# Altium PCB PCIe_to_M2E.PcbDoc (part 4 of 6)
Units mm, origin at the board's own origin, x right, y up, seen from the top; angles counter-clockwise.
Board outline 90 x 100 mm, 6 copper layers (1_TOP, 2_GND, 3_Signal, 4_GND, 5_Signal, 6_BOTTOM), stack 1.617 mm thick; 433 components, 362 nets, 1771 pads, 2680 vias.
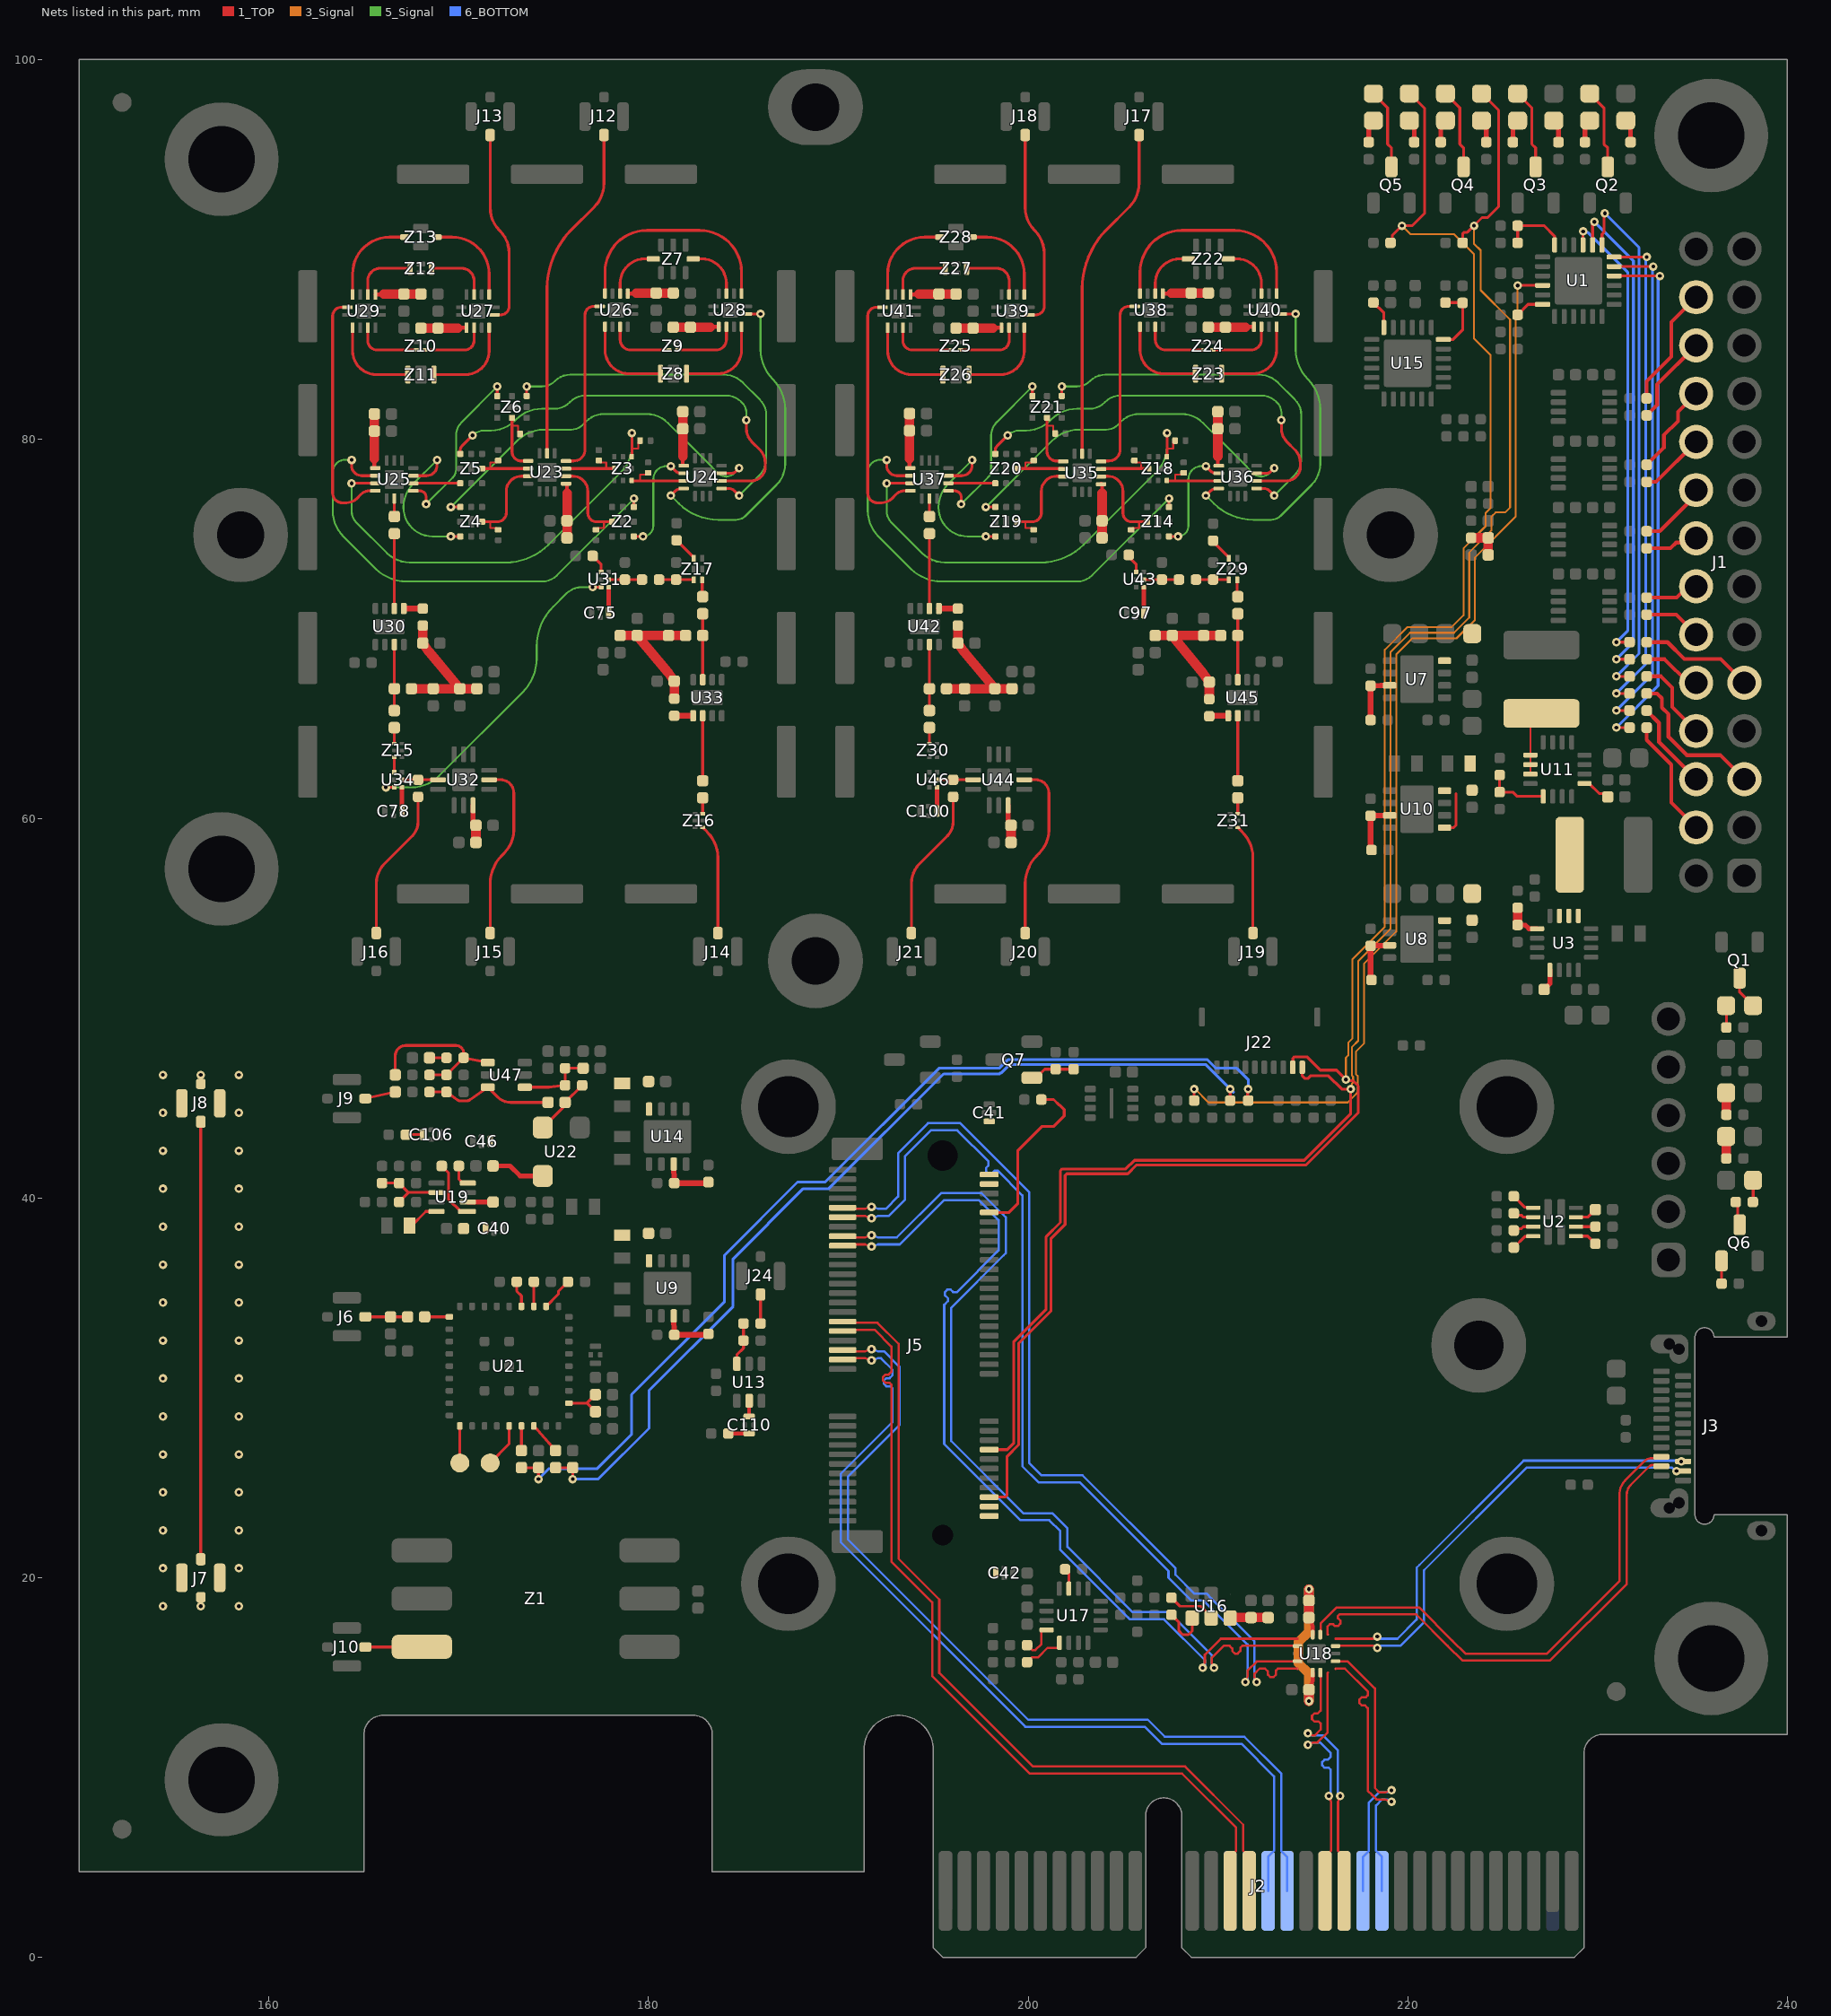
[diagram p8: the nets of this part, all layers, seen from the top]

## Via types
v1: diameter 0.45, hole 0.2, 1_TOP to 6_BOTTOM, tented both sides, 2680 vias

## Nets (pads, with @x,y where several pads share a name; then routed paths per layer and width w, separated by ;. In a path a pad name is that pad's centre, name@x,y a point inside that pad or via, vN(x,y) a via of type N, cw(c..) or ccw(c..) an arc to the next point about the centre after c; other vN are vias at no path point) (continued)
GPS_RX: C44.1 L11.1 R87.2 | length 52.3
  1_TOP w0.15: L11.1@173.3,25.8 C44.1@174.2,25.8 v1(174.2,25.2) ; v1@211.55,45.75 211.574,45.726 211.574,45.176 R87.2@211.6,45.15
  6_BOTTOM w0.15: v1(174.2,25.2) 174.75,25.75 177.3,25.75 179.1,27.55 179.1,29.65 184,34.55 184,37 187.85,40.85 189.3,40.85 195.3,46.85 198.481,46.85 198.931,47.3 209.454,47.3 209.904,46.85 211,46.85 211.6,46.25 v1(211.6,45.75)
GPS_TP0: TP8.1 U21.14 | length 2.4
  1_TOP w0.15: TP8.1@171.65,26.05 172.65,27.05 U21.14@172.65,28
GPS_TP1: TP7.1 U21.10 | length 1.9
  1_TOP w0.15: TP7.1@170.05,26.05 U21.10@170.05,28
GPS_TX: C45.1 L12.1 R86.2 | length 49.2
  1_TOP w0.15: L12.1@175.1,25.8 C45.1@176,25.8 v1(176,25.2) ; R86.2@210.6,45.15 210.65,45.2 v1(210.65,45.75)
  6_BOTTOM w0.15: v1(176,25.2) 177.35,25.2 180.025,27.875 180.025,29.875 184.45,34.3 184.45,36.8 188.15,40.5 189.5,40.5 195.55,46.55 198.5,46.55 198.55,46.6 198.584,46.6 199.034,47.05 209.35,47.05 v1(210.65,45.75) 210.813,45.587
H_PCIE_RX1_N: J2.A22 U18.10 | length 15.1
  1_TOP w0.12: U18.10@216.2,15.2 216.215,15.215 216.7,15.215 217.905,14.01 217.905,13.8 217.805,13.7 217.58,13.7 217.455,13.575 217.455,13.4 217.58,13.275 217.755,13.275 217.905,13.125 217.905,8.772 218.122,8.555 218.362,8.315 218.75,8.315 218.815,8.315 v1(219.15,8.2)
  6_BOTTOM w0.12: J2.A22@218.65,3.5 218.65,5.295 218.335,5.61 218.335,8 218.65,8.315 218.745,8.315 218.946,8.315 219.061,8.2 v1(219.15,8.2)
H_PCIE_RX1_P: J2.A21 U18.11 | length 15.1
  1_TOP w0.12: U18.11@216.2,15.6 216.215,15.585 216.853,15.585 218.275,14.163 218.275,8.925 218.515,8.685 218.85,8.685 v1(219.15,8.8)
  6_BOTTOM w0.12: J2.A21@217.65,3.5 217.65,5.295 217.965,5.61 217.965,8.153 218.497,8.685 218.592,8.685 218.946,8.685 219.061,8.8 v1(219.15,8.8)
H_PCIE_TX1_N: J2.B20 U18.8 | length 14.2
  1_TOP w0.12: v1@214.865,11.685 v1(214.75,11.8) 214.983,11.685 215.1,11.685 215.415,12 215.415,12.325 215.315,12.425 215.09,12.425 214.965,12.55 214.965,12.725 215.09,12.85 215.265,12.85 215.415,13 215.415,14.985 U18.8@215.4,15 ; 216.335,7.907 216.335,5.61 216.65,5.295 J2.B20@216.65,3.5 ; 216.335,7.907 216.335,8.2 v1(216.45,8.5)
  6_BOTTOM w0.12: v1(214.75,11.8) 214.865,11.685 215.553,11.685 216.32,10.918 216.32,8.63 v1(216.45,8.5)
H_PCIE_TX1_P: J2.B19 U18.9 | length 14.1
  1_TOP w0.12: v1@214.865,11.315 v1(214.75,11.2) 215,11.315 215.253,11.315 215.785,11.847 215.785,14.985 U18.9@215.8,15 ; J2.B19@215.65,3.5 215.65,5.295 215.965,5.61 215.965,8.06 215.965,8.178 v1(215.85,8.5)
  6_BOTTOM w0.12: v1(214.75,11.2) 214.865,11.315 215.4,11.315 215.95,10.765 215.95,10.56 215.8,10.41 215.625,10.41 215.5,10.285 215.5,10.11 215.625,9.985 215.85,9.985 215.95,9.885 215.95,9.825 215.95,8.6 v1(215.85,8.5)
H_RX0_N: J2.A17 J5.37 | length 47.9
  1_TOP w0.12: J5.37@190.225,32 190.29,31.935 191.4,31.935 v1(191.75,32.05)
  6_BOTTOM w0.12: v1(191.75,32.05) 192.1,31.935 192.403,31.935 193.22,31.118 193.22,28.047 190.5,25.327 190.5,22.023 200.003,12.52 206.303,12.52 207.203,11.62 211.403,11.62 213.335,9.688 213.335,5.915 213.335,5.61 213.65,5.295 J2.A17@213.65,3.5
H_RX0_P: J2.A16 J5.35 | length 47.9
  1_TOP w0.12: J5.35@190.225,31.5 190.29,31.565 191.4,31.565 v1(191.75,31.45)
  6_BOTTOM w0.12: v1(191.75,31.45) 192.1,31.565 192.25,31.565 192.85,30.965 192.85,30.666 192.7,30.516 192.525,30.516 192.4,30.391 192.4,30.216 192.525,30.091 192.75,30.091 192.85,29.991 192.85,28.2 190.13,25.48 190.13,21.87 199.85,12.15 206.15,12.15 207.05,11.25 211.25,11.25 212.965,9.535 212.965,6.068 212.965,5.61 212.65,5.295 J2.A16@212.65,3.5
H_RX1_N: J5.61 U18.2 | length 48.9
  1_TOP w0.12: J5.61@190.225,38 190.29,37.935 191.4,37.935 v1(191.75,38.05) ; v1@209.685,15.365 v1(209.8,15.25) 209.685,15.5 209.685,15.785 210.315,16.415 210.616,16.415 210.766,16.265 210.766,16.134 210.9,16 211.05,16 211.191,16.141 211.191,16.315 211.291,16.415 211.766,16.415 214.185,16.415 U18.2@214.2,16.4
  6_BOTTOM w0.12: v1(191.75,38.05) 192.1,37.935 193.085,37.935 195.42,40.27 197.553,40.27 198.712,39.112 198.82,39.003 198.82,37.097 198.712,36.988 195.95,34.227 195.95,27.2 199.75,23.4 201.273,23.4 202.07,22.603 202.07,21.63 205.518,18.182 207.418,18.182 209.685,15.915 209.685,15.365 v1(209.8,15.25)
H_RX1_P: J5.59 U18.1 | length 48.7
  1_TOP w0.12: J5.59@190.225,37.5 190.29,37.565 191.4,37.565 v1(191.75,37.45) ; v1(209.2,15.25) 209.315,15.513 209.315,15.938 210.162,16.785 214.185,16.785 U18.1@214.2,16.8
  6_BOTTOM w0.12: v1(191.75,37.45) 192.1,37.565 193.238,37.565 195.573,39.9 197.4,39.9 198.45,38.85 198.45,37.25 196.257,35.057 196.045,35.057 195.921,35.181 195.745,35.181 195.621,35.057 195.621,34.881 195.78,34.721 195.78,34.58 195.58,34.38 195.58,27.047 199.597,23.03 201.12,23.03 201.7,22.45 201.7,21.477 205.277,17.9 205.364,17.812 207.164,17.812 209.315,15.662 209.315,15.365 v1(209.2,15.25)
H_TX0_N: J2.B15 J5.43 | length 44.6
  1_TOP w0.12: J5.43@190.225,33.5 190.29,33.435 192.063,33.435 193.17,32.328 193.17,21.005 195.32,18.855 195.32,14.98 200.25,10.05 208.273,10.05 211.335,6.988 211.335,5.61 211.65,5.295 J2.B15@211.65,3.5
H_TX0_P: J2.B14 J5.41 | length 44.6
  1_TOP w0.12: J5.41@190.225,33 190.29,33.065 191.91,33.065 192.8,32.175 192.8,30.85 192.65,30.7 192.475,30.7 192.35,30.575 192.35,30.4 192.475,30.275 192.7,30.275 192.8,30.175 192.8,20.852 194.95,18.702 194.95,14.827 200.097,9.68 208.12,9.68 210.965,6.835 210.965,5.61 210.65,5.295 J2.B14@210.65,3.5
H_TX1_N: J5.67 U18.5 | length 50.5
  1_TOP w0.12: J5.67@190.225,39.5 190.29,39.435 191.4,39.435 v1(191.75,39.55) ; v1(212.05,14.5) 211.935,14.783 211.935,14.95 212.2,15.215 212.489,15.215 212.639,15.065 212.639,14.89 212.764,14.765 212.939,14.765 213.064,14.89 213.064,15.115 213.164,15.215 214.185,15.215 U18.5@214.2,15.2
  6_BOTTOM w0.12: v1(191.75,39.55) 192.1,39.435 192.5,39.435 193.15,40.085 193.15,42.373 194.727,43.95 196.423,43.95 200.07,40.303 200.07,26.03 200.7,25.4 202.873,25.4 207.77,20.503 207.77,20.153 208.753,19.17 209.403,19.17 209.673,18.9 211.935,16.638 211.935,14.615 v1(212.05,14.5)
H_TX1_P: J5.65 U18.4 | length 50.5
  1_TOP w0.12: J5.65@190.225,39 190.29,39.065 191.4,39.065 v1(191.75,38.95) ; v1(211.45,14.5) 211.565,14.8 211.565,15.103 212.047,15.585 214.185,15.585 U18.4@214.2,15.6
  6_BOTTOM w0.12: v1(191.75,38.95) 192.1,39.065 192.653,39.065 193.52,39.932 193.52,42.22 194.88,43.58 196.27,43.58 197.914,41.936 197.914,41.724 197.79,41.6 197.79,41.424 197.914,41.3 198.091,41.3 198.25,41.459 198.391,41.459 199.7,40.15 199.7,25.877 200.547,25.03 202.72,25.03 207.4,20.35 207.4,20 208.6,18.8 209.25,18.8 211.565,16.485 211.565,14.615 v1(211.45,14.5)
H_USB3_RX_N: J3.A3 U18.16 | length 27.1
  1_TOP w0.12: U18.16@215.4,17 215.415,17.015 215.415,17.588 216.262,18.435 216.7,18.435 ; 216.703,18.435 220.615,18.435 222.373,16.677 223.05,16 227.35,16 231.18,19.83 231.18,24.45 cw(c232.097,24.45) 231.449,25.099 232.491,26.141 cw(c232.899,25.733) 232.899,26.31 233.31,26.31 J3.A3@233.375,26.375
H_USB3_RX_P: J3.A2 U18.15 | length 27
  1_TOP w0.12: U18.15@215.8,17 215.785,17.015 215.785,17.435 215.898,17.548 216.081,17.548 216.179,17.45 216.325,17.45 216.456,17.581 216.456,17.744 216.334,17.866 216.334,17.984 216.415,18.065 220.462,18.065 222.112,16.415 222.897,15.63 227.503,15.63 231.55,19.677 231.55,24.377 cw(c232.273,24.377) 231.762,24.888 232.752,25.879 cw(c232.9,25.731) 232.9,25.94 233.31,25.94 J3.A2@233.375,25.875
H_USB3_TX_N: J3.B10 U18.14 | length 23.8
  1_TOP w0.12: U18.14@216.2,16.8 216.215,16.785 217.71,16.785 218.196,16.785 218.311,16.9 v1(218.4,16.9)
  6_BOTTOM w0.12: v1(218.4,16.9) 218.489,16.9 218.604,16.785 219.466,16.785 220.481,17.8 220.481,20.531 220.625,20.675 226.12,26.17 234.093,26.17 234.38,26.17 v1(234.425,26.125)
H_USB3_TX_P: J3.B11 U18.13 | length 23.6
  1_TOP w0.12: U18.13@216.2,16.4 216.215,16.415 217.557,16.415 218.196,16.415 218.311,16.3 v1(218.4,16.3)
  6_BOTTOM w0.12: v1(218.4,16.3) 218.489,16.3 218.604,16.415 219.62,16.415 220.851,17.647 220.851,20.378 220.887,20.413 226.273,25.8 233.94,25.8 234.115,25.625 v1(234.175,25.625)
I2C_INTR: R83.2 U1.22 | length 58.5
  1_TOP w0.15: R83.2@208.75,45.15 v1(208.75,45.75) ; v1(225.8,88.1) U1.22@227.115,88.1
  3_Signal w0.1: v1(208.75,45.75) 208.8,45.75 209.5,45.05 216.85,45.05 217.3,45.5 217.3,45.52 217.375,45.595 217.375,46.438 217.275,46.538 217.275,47.725 217.7,48.15 217.7,52.35 219.4,54.05 219.4,68.65 220.25,69.5 222.579,69.5 223.55,70.471 223.55,73.775 225.7,75.925 225.7,86.3 225.8,86.4 v1(225.8,88.1)
LED1#: D11.C J5.6 J22.2 R98.1 | length 104
  1_TOP w0.15: J5.6@197.95,24.25 198.8,24.25 198.888,24.338 198.888,26.4 198.904,26.4 199.5,26.996 199.5,32.343 201.2,34.043 201.2,37.868 201.95,38.618 201.95,41.203 202.038,41.29 205.251,41.29 205.711,41.75 214.654,41.75 217.4,44.496 217.4,45.916 217.123,46.193 216.807,46.193 v1(216.75,46.25) 216.25,46.75 215.4,46.75 214.7,47.45 214.038,47.45 213.956,47.368 213.956,46.906 J22.2@213.95,46.9 ; R98.1@219.1,90.35 219.194,90.444 219.194,90.744 v1(219.7,91.25) 220.25,91.25 220.9,91.9 220.9,97.435 220.125,98.21 D11.C@220.1,98.21
  3_Signal w0.1: v1(216.75,46.25) 216.75,47.4 216.875,47.525 216.875,48.195 217.1,48.42 217.1,52.6 218.8,54.3 218.8,68.899 220.001,70.1 222.33,70.1 222.95,70.72 222.95,74.25 224.112,75.412 224.112,76.112 224.375,76.375 224.375,84.425 223.5,85.3 223.5,89.75 222.45,90.8 220.15,90.8 v1(219.7,91.25)
LED2#: D10.C J5.16 J22.1 R96.1 | length 98.8
  1_TOP w0.15: J5.16@197.95,26.75 198.9,26.75 199.25,27.1 199.25,32.446 200.95,34.146 200.95,37.972 201.7,38.722 201.7,41.45 201.79,41.54 205.147,41.54 205.607,42 214.55,42 217,44.45 v1(217,45.75) 216.534,45.75 215.834,46.45 214.884,46.45 214.742,46.308 214.592,46.308 214.45,46.45 J22.1@214.45,46.9 ; R96.1@222.9,90.35 222.9,90.812 222.988,90.9 223.15,90.9 223.925,91.675 224.225,91.675 224.8,92.25 224.8,97.335 223.925,98.21 D10.C@223.9,98.21
  3_Signal w0.1: v1(217,45.75) 217.067,45.817 217.067,45.976 217.075,45.984 217.075,46.045 217.125,46.095 217.125,46.405 217.075,46.455 217.075,47.975 217.4,48.3 217.4,52.5 219.1,54.2 219.1,68.774 220.126,69.8 222.454,69.8 223.25,70.596 223.25,74.025 224.413,75.188 224.413,75.912 224.637,76.137 225.137,76.137 225.4,76.4 225.4,86.3 223.85,87.85 223.85,89.95 223.5,90.3 v1(223.5,91.25)
LS_GPIO0: R45.2 U1.10 | length 27.9
  1_TOP w0.15: U1.10@230.885,88.6 v1(233.3,88.6) ; v1(231,64.8) R45.2@231.7,64.8
  6_BOTTOM w0.15: v1(231,64.8) 233.2,67 233.2,88.419 233.3,88.519 v1(233.3,88.6)
LS_GPIO1: R46.2 U1.11 | length 27
  1_TOP w0.15: U1.11@230.885,89.1 v1(232.95,89.1) ; v1(231,65.7) R46.2@231.7,65.7
  6_BOTTOM w0.15: v1(231,65.7) 232.9,67.6 232.9,89.05 v1(232.95,89.1)
LS_GPIO2: R16.1 U1.12 | length 26.1
  1_TOP w0.15: U1.12@230.885,89.6 v1(232.6,89.6) ; v1(231,66.6) R16.1@231.7,66.6
  6_BOTTOM w0.15: v1(231,66.6) 232.55,68.15 232.55,89.55 v1(232.6,89.6)
LS_GPIO3: R43.2 U1.13 | length 28.1
  1_TOP w0.15: U1.13@230.25,90.235 230.25,90.8 230.35,90.9 230.35,91.85 v1(230.4,91.9) ; v1(231,67.5) R43.2@231.7,67.5
  6_BOTTOM w0.15: v1(230.4,91.9) 232.2,90.1 232.2,88.931 232.2,68.7 v1(231,67.5)
LS_GPIO4: R44.2 U1.14 | length 26.2
  1_TOP w0.15: U1.14@229.75,90.235 229.75,91.35 v1(229.85,91.45) ; v1(231,68.4) R44.2@231.7,68.4
  6_BOTTOM w0.15: v1(229.85,91.45) 231.9,89.4 231.9,69.3 v1(231,68.4)
LS_GPIO5: R15.1 U1.15 | length 24.4
  1_TOP w0.15: U1.15@229.25,90.235 v1(229.25,90.95) ; v1(231,69.3) R15.1@231.7,69.3
  6_BOTTOM w0.15: v1(229.25,90.95) 229.307,90.893 229.507,90.893 231.6,88.8 231.6,69.9 v1(231,69.3)
NetC4_1: C4.1 U3.9 | length 1.1
  1_TOP w0.25: C4.1@227.2,51 227.5,51.3 U3.9@227.5,52.025
NetC6_1: C6.1 U2.11 | length 1.2
  1_TOP w0.15: U2.11@228.875,39 229.5,39 C6.1@229.9,39.4
NetC14_1: C14.1 U7.8
NetC15_1: C15.1 L3.2 U8.8
NetC16_1: C16.1 L4.2 U9.8
NetC17_1: C17.1 L5.2 U10.5 U10.8 | length 2.3
  1_TOP w0.15: U10.5@221.95,59.525 222.425,59.525 222.55,59.65 222.55,61.313
NetC20_1: C20.1 U11.9 | length 1.5
  1_TOP w0.15: U11.9@229.325,61.85 229.57,61.85 230.091,61.329 230.371,61.329 C20.1@230.55,61.15
NetC28_1: C28.1 L6.2 U14.8
NetC32_1: C32.1 L7.2 U16.6 | length 2
  1_TOP w0.5: U16.6@210.65,17.875 210.675,17.9 L7.2@212.65,17.9
NetC35_1: C35.1 C37.1 L8.1 U18.7 U18.17 | length 10.2
  1_TOP w0.2: C37.1@214.8,14.1 214.876,14.25 214.876,14.271 215,14.55 U18.7@215,15 ; C35.1@214.876,17.729 215,17.45 U18.17@215,17
  1_TOP w0.5: v1(214.8,13.5) C37.1@214.8,14.1 ; C35.1@214.8,17.9 L8.1@214.8,18.8 v1(214.8,19.4)
  3_Signal w0.5: v1(214.8,13.5) 214.8,14.95 214.25,15.5 214.25,16.6 214.8,17.15 v1(214.8,19.4)
NetC38_2: C38.2 C40.1 R79.2 U19.1 | length 3.1
  1_TOP w0.15: R79.2@169.1,41.7 169.45,41.35 169.45,39.95 170.1,39.3 U19.1@170.425,39.3
NetC39_1: C39.1 U19.8 | length 1.6
  1_TOP w0.15: C39.1@167.51,38.55 168.25,39.29 168.25,39.3 U19.8@168.825,39.3
NetC41_1: C41.1 J5.72 J5.74
NetC42_1: C42.1 J5.2 J5.4
NetC46_3: C46.3 C48.2 U22.4 | length 2.8
  1_TOP w0.25: C48.2@171.8,41.7 172.7,41.7 173.225,41.175 U22.4@174.425,41.175
NetC51_1: C51.1 J6.1 L13.2 | length 2.1
  1_TOP w0.15: J6.1@165.25,33.75 L13.2@166.4,33.75 C51.1@167.3,33.75
NetC51_2: C51.2 U21.1 | length 1.3
  1_TOP w0.15: C51.2@168.2,33.75 U21.1@169.5,33.75
NetC53_2: C53.2 L14.1 U21.20 | length 2.2
  1_TOP w0.15: U21.20@175.8,29.2 176.75,29.2 ; L14.1@177.2,28.75 176.75,29.2 ; C53.2@177.2,29.65 176.75,29.2
NetC57_1: C57.1 R100.2 R103.2 U47.4 | length 4
  1_TOP w0.15: U47.4@173.475,45.85 174.7,45.85 ccw(c174.7,46.25) 174.745,45.853 R100.2@175.6,45.95 R103.2@175.6,46.85 C57.1@176.55,46.85
NetC58_1: C58.1 R104.2 R131.1 R132.2 U47.1 | length 8.9
  1_TOP w0.15: C58.1@166.65,46.5 166.65,47.5 cw(c167.2,47.5) 167.2,48.05 169.85,48.05 cw(c169.85,47.65) 170.25,47.65 R104.2@170.25,47.4 ; R131.1@168.45,46.5 R132.2@169.35,46.5 R104.2@170.25,47.4 ; U47.1@171.525,47.15 R104.2@170.25,47.4
NetC58_2: C58.2 J9.1 | length 1.8
  1_TOP w0.15: J9.1@165.25,45.25 J9.1@165.075,45.25 165.242,45.287 C58.2@166.65,45.6
NetC60_1: C60.1 L15.1 U23.4 | length 2.9
  1_TOP w0.2: U23.4@175.65,77.65 175.7,77.6 175.7,77.15
  1_TOP w0.5: L15.1@175.7,74.8 C60.1@175.7,75.7 175.7,77.15
NetC61_1: C61.1 L16.1 U24.4 | length 2.9
  1_TOP w0.2: 181.8,79.1 181.8,78.65 U24.4@181.85,78.6
  1_TOP w0.5: 181.8,79.1 C61.1@181.8,80.55 L16.1@181.8,81.45
NetC62_1: C62.1 L17.1 U25.4 | length 2.9
  1_TOP w0.2: 165.55,78.975 165.55,78.525 U25.4@165.6,78.475
  1_TOP w0.5: 165.55,78.975 C62.1@165.55,80.425 L17.1@165.55,81.325
NetC63_1: C63.1 L18.2 U26.3 | length 2.4
  1_TOP w0.2: U26.3@178.9,87.675 179.325,87.675
  1_TOP w0.5: 179.35,87.7 L18.2@181.3,87.7
NetC64_1: C64.1 L19.2 U27.3 | length 2.4
  1_TOP w0.2: 169.975,85.875 U27.3@170.4,85.875
  1_TOP w0.5: L19.2@168,85.85 169.95,85.85
NetC65_1: C65.1 L20.1 U28.3 | length 2.4
  1_TOP w0.2: 183.275,85.925 U28.3@183.7,85.925
  1_TOP w0.5: L20.1@181.3,85.9 183.25,85.9
NetC66_1: C66.1 U25.9 | length 1
  1_TOP w0.15: C66.1@166.6,75.925 U25.9@166.6,76.875
NetC66_2: C66.2 U30.2 | length 4
  1_TOP w0.15: U30.2@166.6,71.075 C66.2@166.6,75.025
NetC67_1: C67.1 R104.1 | length 0.9
  1_TOP w0.15: C67.1@168.45,47.4 R104.1@169.35,47.4
NetC68_1: C68.1 L22.1 U29.3 | length 2.4
  1_TOP w0.2: U29.3@165.6,87.625 166.025,87.625
  1_TOP w0.5: 166.05,87.65 L22.1@168,87.65
NetC70_1: C70.1 C71.2 C89.2 L23.1 L24.1 R115.1 | length 7.3
  1_TOP w0.5: L24.1@167.7,66.85 167.75,66.85 C89.2@168.65,66.85 C70.1@170.05,66.85 ; R115.1@168.1,70.175 C71.2@168.1,69.25 168.422,68.796 ccw(c168.85,69.1) 168.448,68.763 C70.1@170.05,66.85 ; L23.1@170.95,66.85 C70.1@170.05,66.85
NetC72_1: C72.1 L24.2 U30.7 | length 3.5
  1_TOP w0.15: C72.1@166.6,65.7 L24.2@166.6,66.85 U30.7@166.6,69.175
NetC72_2: C72.2 Z15.4 | length 0.8
  1_TOP w0.15: Z15.4@166.6,63.96 C72.2@166.6,64.8
NetC73_1: C73.1 Z17.1 | length 0.9
  1_TOP w0.15: Z17.1@182.823,72.58 182.823,71.727 C73.1@182.85,71.7
NetC73_2: C73.2 L25.2 U33.7 | length 3.5
  1_TOP w0.15: U33.7@182.85,67.325 L25.2@182.85,69.65 C73.2@182.85,70.8
NetC74_2: C74.2 C76.1 C103.2 L25.1 L26.1 R129.1 | length 7.4
  1_TOP w0.5: L26.1@178.5,69.65 C103.2@181.35,69.65 ; C76.1@179.4,69.65 181.002,67.738 cw(c180.6,67.4) 181.029,67.702 C74.2@181.35,67.25 R129.1@181.35,66.325 ; 181.45,69.65 L25.1@181.95,69.65
NetC75_3: C75.3 U31.4 | length 1.3
  1_TOP w0.25: C75.3@177.9,70.85 U31.4@177.9,72.2
NetC78_3: C78.3 U34.4 | length 1.3
  1_TOP w0.25: C78.3@167,60.343 U34.4@167,61.65
NetC79_1: C79.1 L28.2 U32.12 | length 2
  1_TOP w0.15: C79.1@170.75,59.8 C79.1@170.9,59.65
  1_TOP w0.25: C79.1@170.75,59.8 U32.12@170.75,60.705
  1_TOP w0.5: L28.2@170.9,58.75 C79.1@170.9,59.65
NetC80_1: C80.1 U33.2 | length 3.4
  1_TOP w0.15: C80.1@182.85,62 U33.2@182.85,65.425
NetC80_2: C80.2 Z16.6 | length 0.8
  1_TOP w0.15: Z16.6@182.85,60.26 C80.2@182.85,61.1
NetC81_1: C81.1 R133.1 R134.2 U47.3 | length 6.9
  1_TOP w0.15: R133.1@168.45,45.6 R134.2@169.35,45.6 169.914,45.19 ccw(c170.113,45.462) 170.113,45.125 170.388,45.125 ccw(c170.388,45.462) 170.582,45.186 U47.3@171.525,45.85 172.042,45.333 ccw(c172.725,46.016) 172.725,45.05 C81.1@174.7,45.05
NetC81_2: C81.2 R100.1 U22.3 | length 3.1
  1_TOP w0.15: U22.3@174.425,43.725 175.494,44.794 ccw(c175.238,45.05) C81.2@175.6,45.05 R100.1@176.5,45.95
NetC82_1: C82.1 L36.1 U35.4 | length 2.9
  1_TOP w0.2: U35.4@203.85,77.65 203.9,77.6 203.9,77.15
  1_TOP w0.5: L36.1@203.9,74.8 C82.1@203.9,75.7 203.9,77.15
NetC83_1: C83.1 L44.1 U36.4 | length 2.9
  1_TOP w0.2: 210,79.1 210,78.65 U36.4@210.05,78.6
  1_TOP w0.5: 210,79.1 C83.1@210,80.55 L44.1@210,81.45
NetC84_1: C84.1 L45.1 U37.4 | length 2.9
  1_TOP w0.2: 193.75,78.975 193.75,78.525 U37.4@193.8,78.475
  1_TOP w0.5: 193.75,78.975 193.75,80.425 L45.1@193.75,81.325
NetC85_1: C85.1 L46.2 U38.3 | length 2.4
  1_TOP w0.2: U38.3@207.1,87.675 207.525,87.675
  1_TOP w0.5: 207.55,87.7 L46.2@209.5,87.7
NetC86_1: C86.1 L47.2 U39.3 | length 2.4
  1_TOP w0.2: 198.175,85.875 U39.3@198.6,85.875
  1_TOP w0.5: L47.2@196.2,85.85 198.15,85.85
NetC87_1: C87.1 L48.1 U40.3 | length 2.4
  1_TOP w0.2: 211.475,85.925 U40.3@211.9,85.925
  1_TOP w0.5: L48.1@209.5,85.9 211.45,85.9
NetC88_1: C88.1 U37.9 | length 1
  1_TOP w0.15: C88.1@194.8,75.925 U37.9@194.8,76.875
NetC88_2: C88.2 U42.2 | length 4
  1_TOP w0.15: U42.2@194.8,71.075 C88.2@194.8,75.025
NetC90_1: C90.1 L50.1 U41.3 | length 2.4
  1_TOP w0.2: U41.3@193.8,87.625 194.225,87.625
  1_TOP w0.5: 194.25,87.65 L50.1@196.2,87.65
NetC92_1: C92.1 C93.2 C108.2 L51.1 L52.1 R117.1 | length 7.6
  1_TOP w0.5: L52.1@195.7,66.85 196.6,66.85 C92.1@198.25,66.85 ; C93.2@196.3,69.2 C93.2@196.3,69.25 ; R117.1@196.3,70.175 C93.2@196.3,69.25 ; L51.1@199.2,66.85 C92.1@198.25,66.85 ; C93.2@196.3,69.25 196.622,68.796 ccw(c197.05,69.1) 196.648,68.763 C92.1@198.25,66.85
NetC94_1: C94.1 L52.2 U42.7 | length 3.5
  1_TOP w0.15: C94.1@194.8,65.7 L52.2@194.8,66.85 U42.7@194.8,69.175
NetC94_2: C94.2 Z30.4 | length 0.8
  1_TOP w0.15: Z30.4@194.8,63.96 C94.2@194.8,64.8
NetC95_1: C95.1 Z29.1 | length 0.9
  1_TOP w0.15: Z29.1@211.022,72.58 211.023,71.727 C95.1@211.05,71.7
NetC95_2: C95.2 L53.2 U45.7 | length 3.5
  1_TOP w0.15: U45.7@211.05,67.325 L53.2@211.05,69.65 C95.2@211.05,70.8
NetC96_2: C96.2 C98.1 C109.2 L53.1 L54.1 R124.2 | length 7.5
  1_TOP w0.5: L54.1@206.7,69.65 C98.1@207.6,69.65 ; R124.2@209.55,66.325 C96.2@209.55,67.2 209.229,67.652 ccw(c208.8,67.35) 209.206,67.683 C98.1@207.6,69.65 ; L53.1@210.15,69.65 C109.2@209.25,69.65 C98.1@207.6,69.65
NetC97_3: C97.3 U43.4 | length 1.3
  1_TOP w0.25: C97.3@206.1,70.85 U43.4@206.1,72.2
NetC100_3: C100.3 U46.4 | length 1.3
  1_TOP w0.25: C100.3@195.2,60.343 U46.4@195.2,61.65
NetC101_1: C101.1 L56.2 U44.12 | length 2
  1_TOP w0.15: C101.1@198.95,59.8 C101.1@199.1,59.65
  1_TOP w0.25: C101.1@198.95,59.8 U44.12@198.95,60.705
  1_TOP w0.5: L56.2@199.1,58.75 C101.1@199.1,59.65
NetC102_1: C102.1 U45.2 | length 3.4
  1_TOP w0.15: C102.1@211.05,62 U45.2@211.05,65.425
NetC102_2: C102.2 Z31.6 | length 0.8
  1_TOP w0.15: Z31.6@211.05,60.26 C102.2@211.05,61.1
NetC104_1: C104.1 L57.2 R126.2 | length 1.8
  1_TOP w0.5: R126.2@223.35,74.8 C104.1@224.25,74.8 L57.2@224.25,73.9
NetC106_3: C106.3 R135.2 | length 0.9
  1_TOP w0.15: R135.2@167.2,43.35 C106.3@168.1,43.35
NetC110_1: C110.1 R22.1 | length 1.1
  1_TOP w0.2: R22.1@184.2,27.6 C110.1@185.3,27.6
NetC110_3: C110.3 U13.5 | length 0.8
  1_TOP w0.2: C110.3@185.3,28.5 U13.5@185.3,29.325
NetD1_A: D1.A R31.1 | length 1.2
  1_TOP w0.5: D1.A@236.79,45.55 236.79,44.41 R31.1@236.8,44.4
NetD2_A: D2.A R32.1 | length 1.2
  1_TOP w0.5: D2.A@236.79,43.25 236.79,42.11 R32.1@236.8,42.1
NetD4_A: D4.A R34.1 | length 1.2
  1_TOP w0.15: D4.A@236.79,50.15 236.8,50.14 R34.1@236.8,49